# Altium PCB DL-5新款球锁 - 拼板-20201231.PcbDoc (part 1 of 9)
Units mm, origin at the board's own origin, x right, y up, seen from the top; angles counter-clockwise.
Board outline 55.99 x 50 mm, 4 copper layers (Top Layer, POWER, GND, Bottom Layer); 388 components, 70 nets, 1224 pads, 536 vias.
Unrouted connection lines stored in the file: 276.
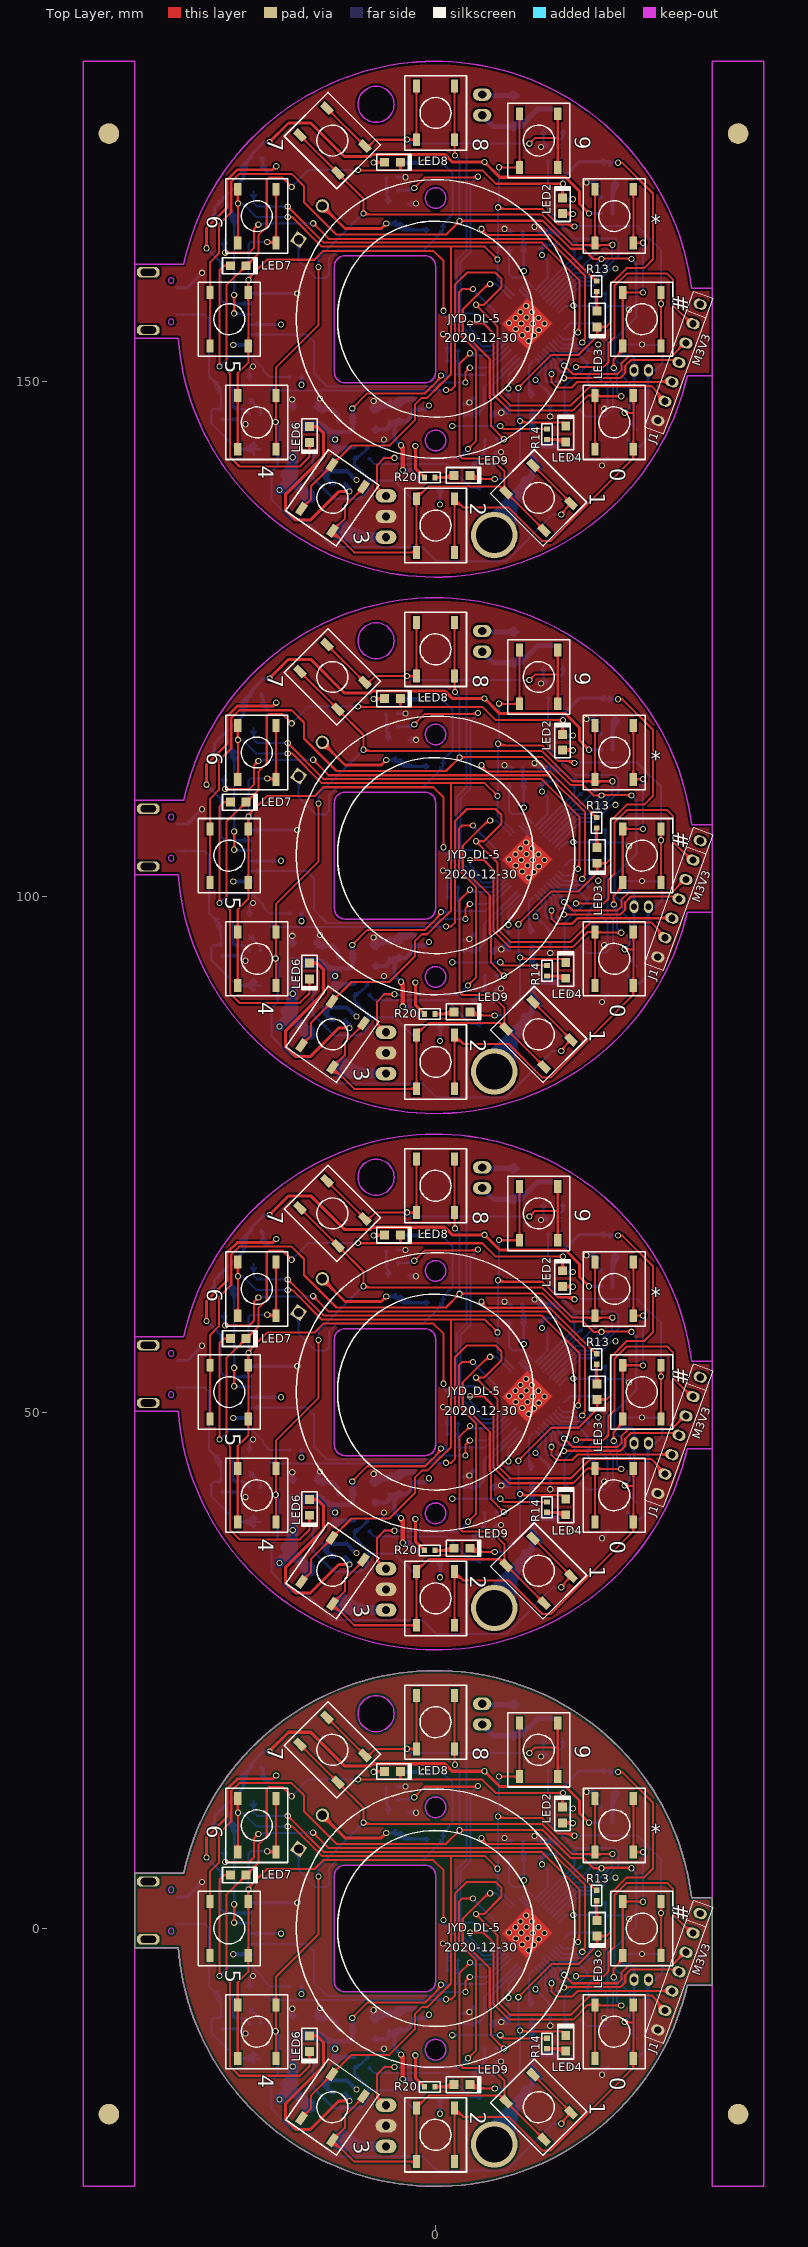
[diagram p0: Top Layer view]
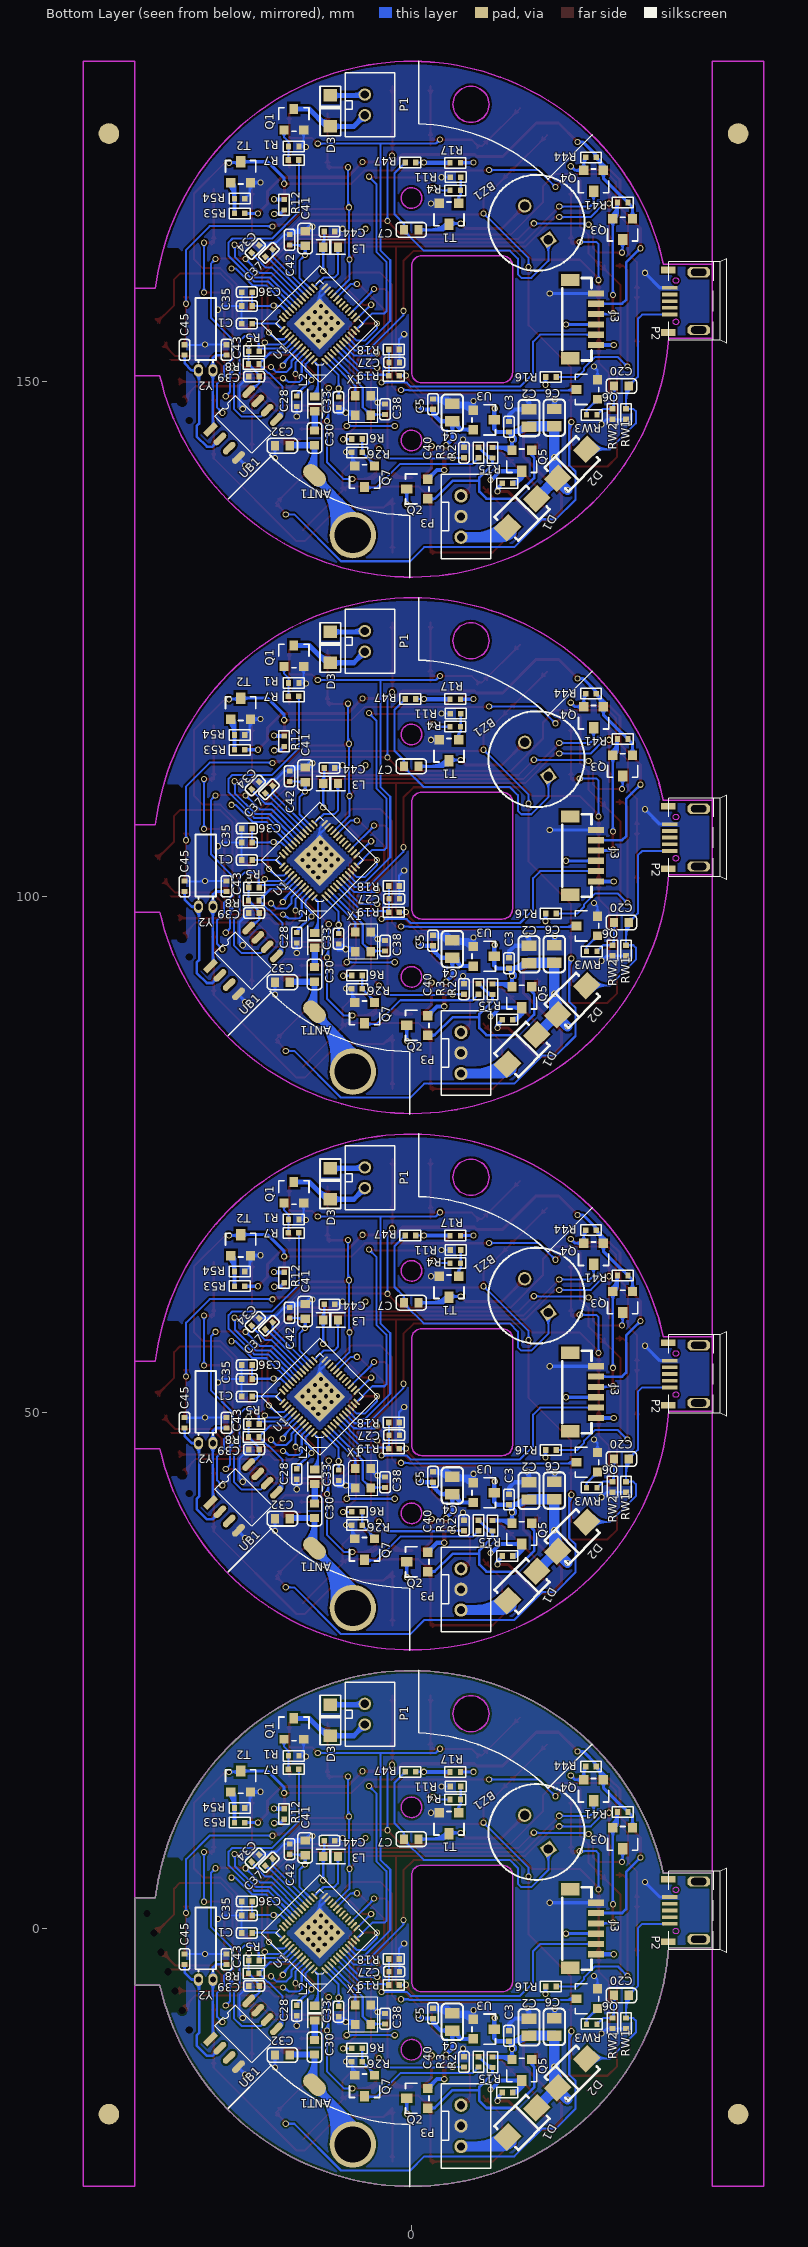
[diagram p1: Bottom Layer view, seen from below]
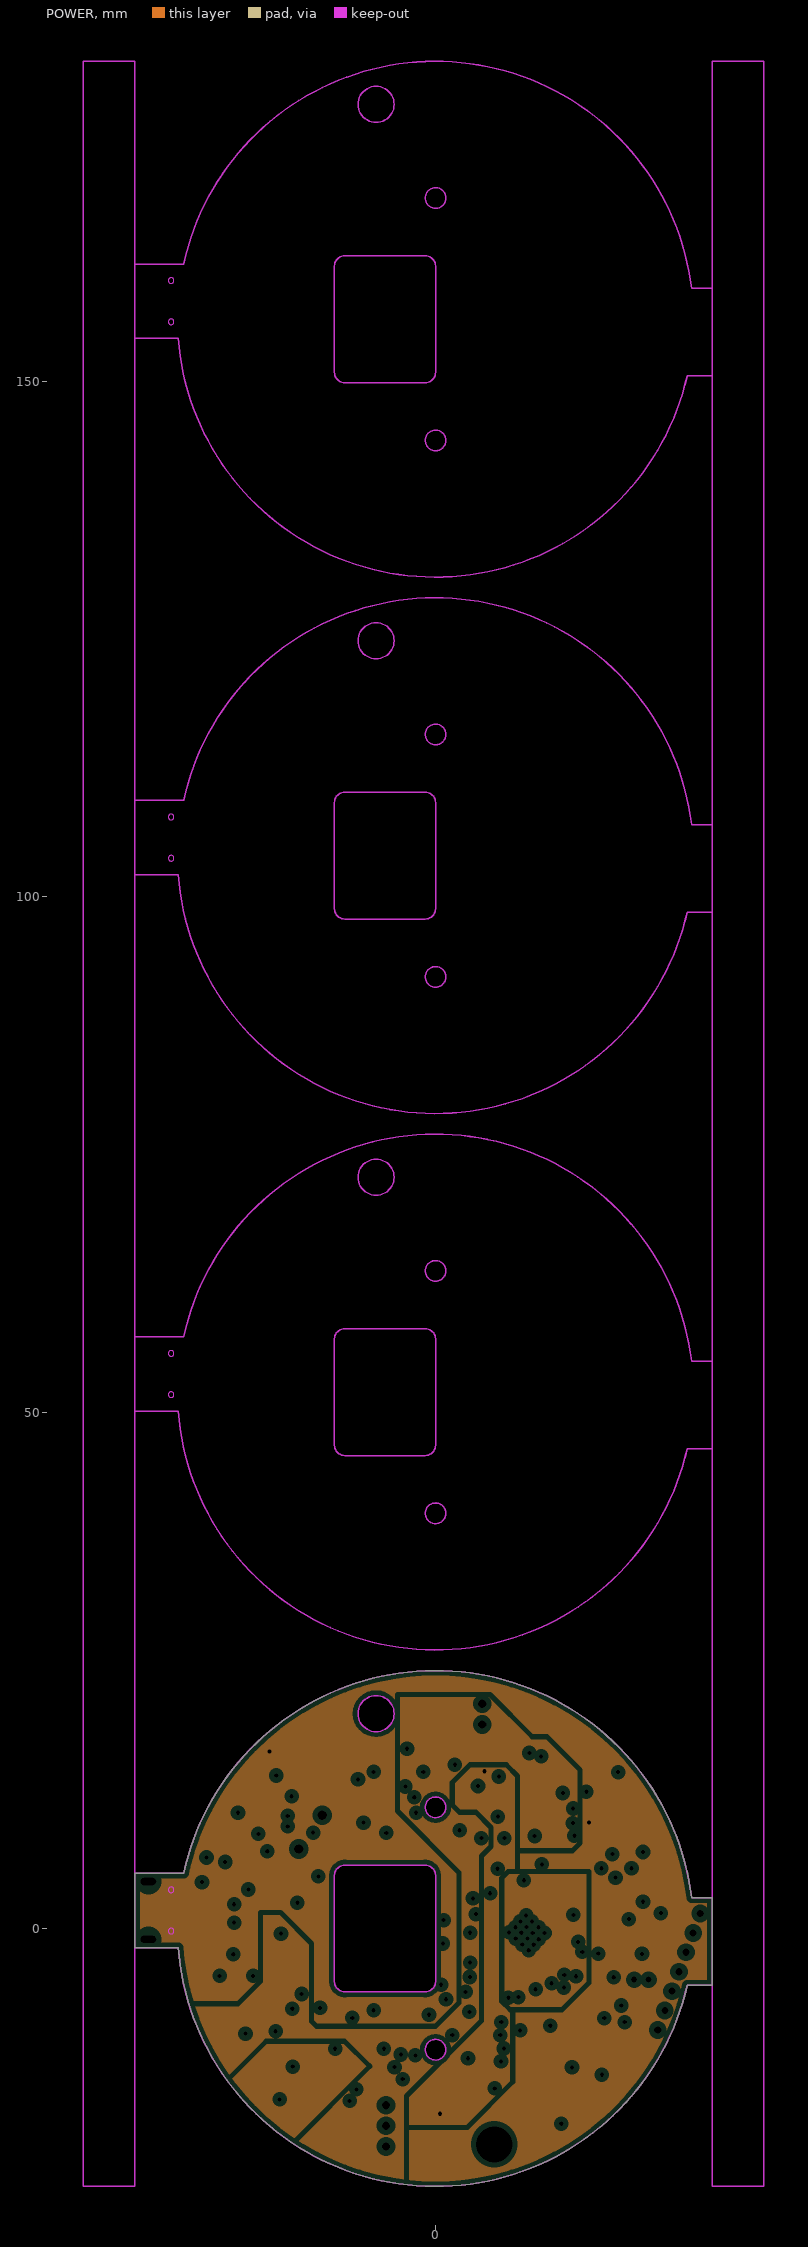
[diagram p2: POWER, clearances drawn from the general rule]
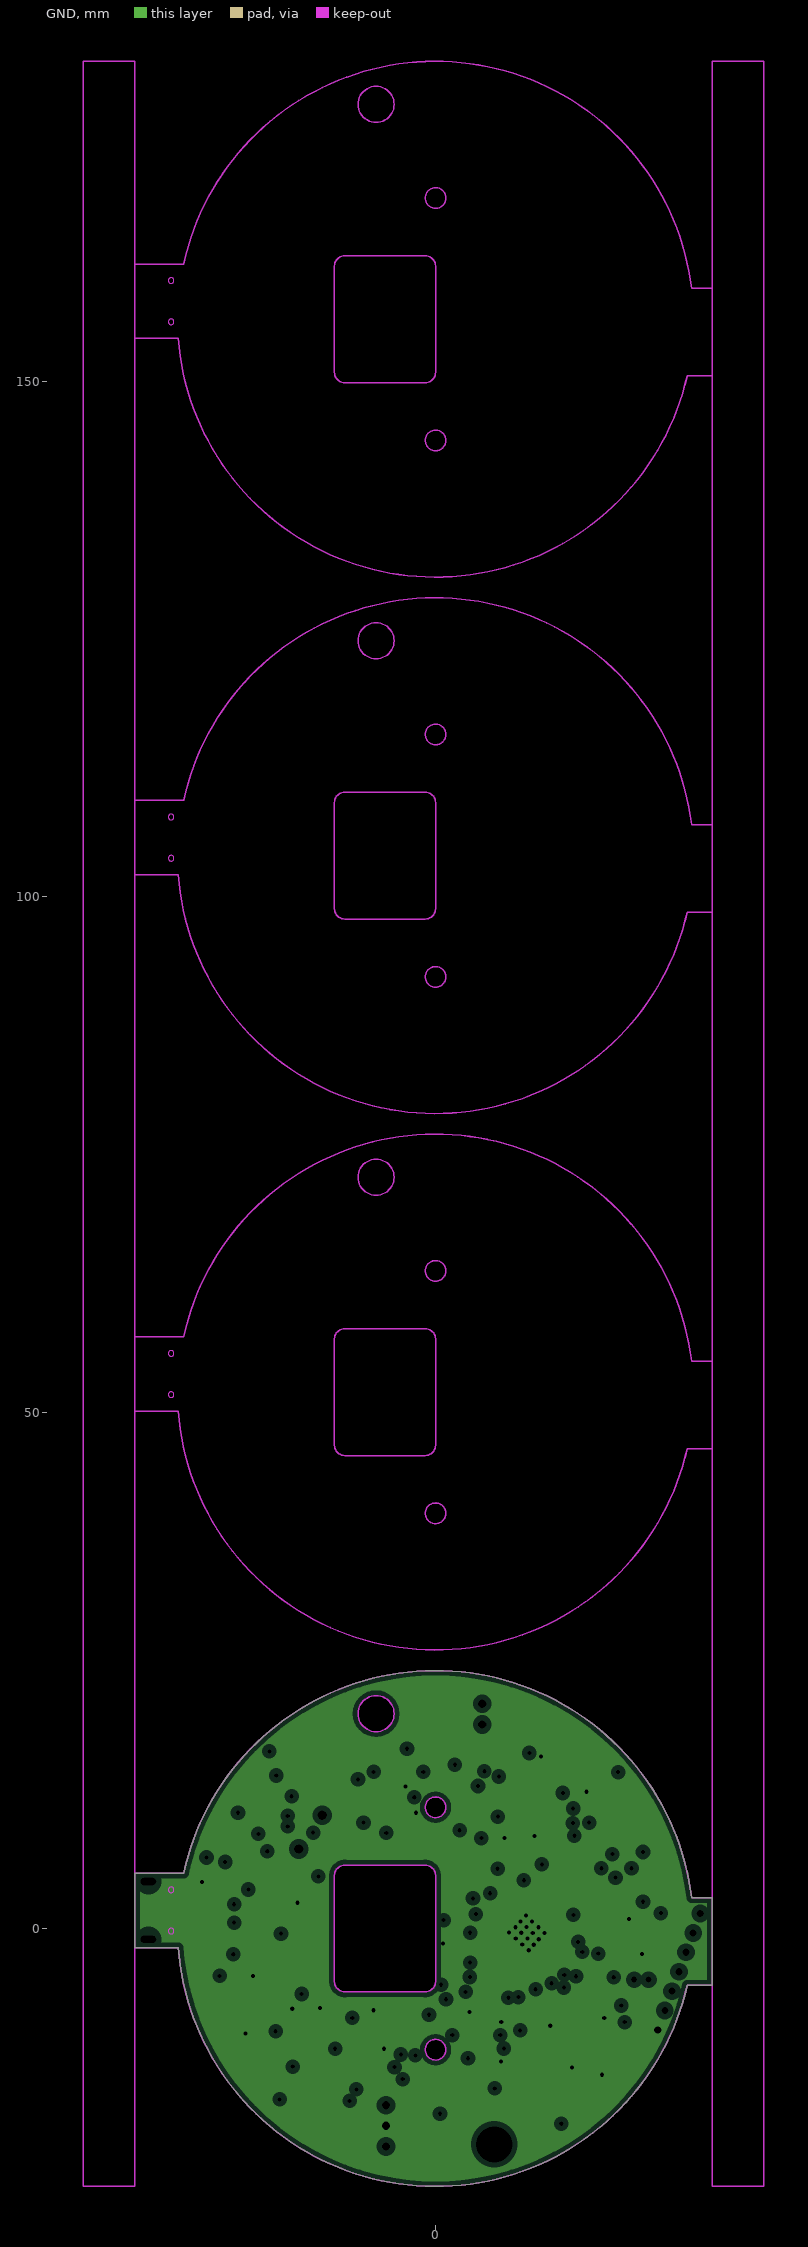
[diagram p3: GND, clearances drawn from the general rule]

## Layer stack, top to bottom
Top Layer: signal copper 0.0356
Dielectric: core 0.32, FR-4, Dk 4.8
POWER: plane copper 0.0356, net (Multiple Nets)
Dielectric: prepreg 0.32, FR-4, Dk 4.8
GND: plane copper 0.0356, net GND
Dielectric: core 0.32, FR-4, Dk 4.8
Bottom Layer: signal copper 0.0356

## Board outline
-29.159,-1.85 -29.159,5.35 -24.42,5.35 -24.42,5.352 cw(c0,0) 24.82,2.998 24.841,3 26.833,3 26.833,-5.5 24.409,-5.5 24.389,-5.495 cw(c0,0) -24.931,-1.851 -24.931,-1.85
cut-out: -9.799,150.85 -9.799,161.15 cw(c-8.799,161.15) -8.799,162.15 -1.004,162.15 cw(c-1.004,161.15) -0.004,161.15 -0.004,150.85 cw(c-1.004,150.85) -1.004,149.85 -8.799,149.85 cw(c-8.799,150.85)
cut-out: -1.004,144.25 ccw(c-0.004,144.25) -0.004,143.25 ccw(c-0.004,144.25) 0.996,144.25 ccw(c-0.004,144.25) -0.004,145.25 ccw(c-0.004,144.25)
cut-out: -1.004,167.75 ccw(c-0.004,167.75) -0.004,166.75 ccw(c-0.004,167.75) 0.996,167.75 ccw(c-0.004,167.75) -0.004,168.75 ccw(c-0.004,167.75)
cut-out: -7.518,176.828 ccw(c-5.768,176.828) -5.768,175.078 ccw(c-5.768,176.828) -4.018,176.828 ccw(c-5.768,176.828) -5.768,178.578 ccw(c-5.768,176.828)
cut-out: -9.799,98.85 -9.799,109.15 cw(c-8.799,109.15) -8.799,110.15 -1.004,110.15 cw(c-1.004,109.15) -0.004,109.15 -0.004,98.85 cw(c-1.004,98.85) -1.004,97.85 -8.799,97.85 cw(c-8.799,98.85)
cut-out: -1.004,92.25 ccw(c-0.004,92.25) -0.004,91.25 ccw(c-0.004,92.25) 0.996,92.25 ccw(c-0.004,92.25) -0.004,93.25 ccw(c-0.004,92.25)
cut-out: -1.004,115.75 ccw(c-0.004,115.75) -0.004,114.75 ccw(c-0.004,115.75) 0.996,115.75 ccw(c-0.004,115.75) -0.004,116.75 ccw(c-0.004,115.75)
cut-out: -7.518,124.828 ccw(c-5.768,124.828) -5.768,123.078 ccw(c-5.768,124.828) -4.018,124.828 ccw(c-5.768,124.828) -5.768,126.578 ccw(c-5.768,124.828)
cut-out: -9.799,46.85 -9.799,57.15 cw(c-8.799,57.15) -8.799,58.15 -1.004,58.15 cw(c-1.004,57.15) -0.004,57.15 -0.004,46.85 cw(c-1.004,46.85) -1.004,45.85 -8.799,45.85 cw(c-8.799,46.85)
cut-out: -1.004,40.25 ccw(c-0.004,40.25) -0.004,39.25 ccw(c-0.004,40.25) 0.996,40.25 ccw(c-0.004,40.25) -0.004,41.25 ccw(c-0.004,40.25)
cut-out: -1.004,63.75 ccw(c-0.004,63.75) -0.004,62.75 ccw(c-0.004,63.75) 0.996,63.75 ccw(c-0.004,63.75) -0.004,64.75 ccw(c-0.004,63.75)
cut-out: -7.518,72.828 ccw(c-5.768,72.828) -5.768,71.078 ccw(c-5.768,72.828) -4.018,72.828 ccw(c-5.768,72.828) -5.768,74.578 ccw(c-5.768,72.828)
cut-out: -9.799,-5.15 -9.799,5.15 cw(c-8.799,5.15) -8.799,6.15 -1.004,6.15 cw(c-1.004,5.15) -0.004,5.15 -0.004,-5.15 cw(c-1.004,-5.15) -1.004,-6.15 -8.799,-6.15 cw(c-8.799,-5.15)
cut-out: -1.004,-11.75 ccw(c-0.004,-11.75) -0.004,-12.75 ccw(c-0.004,-11.75) 0.996,-11.75 ccw(c-0.004,-11.75) -0.004,-10.75 ccw(c-0.004,-11.75)
cut-out: -1.004,11.75 ccw(c-0.004,11.75) -0.004,10.75 ccw(c-0.004,11.75) 0.996,11.75 ccw(c-0.004,11.75) -0.004,12.75 ccw(c-0.004,11.75)
cut-out: -7.518,20.828 ccw(c-5.768,20.828) -5.768,19.078 ccw(c-5.768,20.828) -4.018,20.828 ccw(c-5.768,20.828) -5.768,22.578 ccw(c-5.768,20.828)

## Design rules (kind name [scope] priority, off if disabled: settings)
Clearance Clearance_3 [All] p1 off: gap=0.2
Clearance Clearance_2 [(IsWire)or(IsThruPin)or(IsFill)or(InPolygon)or(IsKeepOut)] p2 off: gap=0.178
Clearance Clearance_1 [InComponent('P2')] p3 off: gap=0.178
Clearance [All] p4: gap=0.18
ComponentClearance [All] p1: gap=0 collisioncheckmode=3 verticalgap=0 showdistances=FALSE
HoleSize [All] p1: absolutevalues=TRUE maxlimit=12.7 minlimit=0.025 maxpercent=80.000 minpercent=20.000
MinimumSolderMaskSliver [All] p1: minsoldermaskwidth=0
PlaneClearance [All] p1: clearance=0.508
PlaneConnect [All] p1: planeconnectstyle=Direct reliefexpansion=0.508 reliefentries=4 reliefconductorwidth=0.254 reliefairgap=0.254
PolygonConnect PolygonConnect_1 [IsVia] p1: connectstyle=Direct reliefconductorwidth=0.254 reliefentries=4 polygonreliefangle="90 Angle" airgapwidth=0.254
PolygonConnect [All] p2: connectstyle=Direct reliefconductorwidth=0.254 reliefentries=4 polygonreliefangle="90 Angle" airgapwidth=0.254
RoutingVias [All] p1: holewidth=0.4 width=0.6 viastyle="Through Hole" minholewidth=0.4 minwidth=0.6 maxholewidth=5 maxwidth=6
SilkToSilkClearance [All] p1: silktosilkclearance=0
SilkToSolderMaskClearance [IsPad] p1: minsilkscreentomaskgap=0 clearancetoexposedcopper=TRUE
SolderMaskExpansion [All] p1: expansion=0.102
Width [All] p1: maxlimit=2 minlimit=0.15 preferedwidth=0.2
21 further rules are at their usual default settings.

## Components (designator, comment, footprint, x,y, rotation, side; value= is the part's Value field where it differs from the comment)
0 "SW" KEY_5.2*3.7*6.4 17.318,146 r270 top locked
0 "SW" KEY_5.2*3.7*6.4 17.318,94 r270 top locked
0 "SW" KEY_5.2*3.7*6.4 17.318,42 r270 top locked
0 "SW" KEY_5.2*3.7*6.4 17.318,-10 r270 top locked
1 "SW" KEY_5.2*3.7*6.4 9.997,138.679 r315 top locked
1 "SW" KEY_5.2*3.7*6.4 9.997,86.679 r315 top locked
1 "SW" KEY_5.2*3.7*6.4 9.997,34.679 r315 top locked
1 "SW" KEY_5.2*3.7*6.4 9.997,-17.321 r315 top locked
2 "SW" KEY_5.2*3.7*6.4 -0.003,136 r270 top
2 "SW" KEY_5.2*3.7*6.4 -0.003,84 r270 top
2 "SW" KEY_5.2*3.7*6.4 -0.003,32 r270 top
2 "SW" KEY_5.2*3.7*6.4 -0.003,-20 r270 top
3 "SW" KEY_5.2*3.7*6.4 -10.003,138.679 r55 top
3 "SW" KEY_5.2*3.7*6.4 -10.003,86.679 r55 top
3 "SW" KEY_5.2*3.7*6.4 -10.003,34.679 r55 top
3 "SW" KEY_5.2*3.7*6.4 -10.003,-17.321 r55 top
4 "SW" KEY_5.2*3.7*6.4 -17.323,146 r270 top locked
4 "SW" KEY_5.2*3.7*6.4 -17.323,94 r270 top locked
4 "SW" KEY_5.2*3.7*6.4 -17.323,42 r270 top locked
4 "SW" KEY_5.2*3.7*6.4 -17.323,-10 r270 top locked
5 "SW" KEY_5.2*3.7*6.4 -20.003,156 r90 top locked
5 "SW" KEY_5.2*3.7*6.4 -20.003,104 r90 top locked
5 "SW" KEY_5.2*3.7*6.4 -20.003,52 r90 top locked
5 "SW" KEY_5.2*3.7*6.4 -20.003,0 r90 top locked
6 "SW" KEY_5.2*3.7*6.4 -17.323,166 r90 top
6 "SW" KEY_5.2*3.7*6.4 -17.323,114 r90 top
6 "SW" KEY_5.2*3.7*6.4 -17.323,62 r90 top
6 "SW" KEY_5.2*3.7*6.4 -17.323,10 r90 top
7 "SW" KEY_5.2*3.7*6.4 -10.003,173.321 r135 top locked
7 "SW" KEY_5.2*3.7*6.4 -10.003,121.321 r135 top locked
7 "SW" KEY_5.2*3.7*6.4 -10.003,69.321 r135 top locked
7 "SW" KEY_5.2*3.7*6.4 -10.003,17.321 r135 top locked
8 "SW" KEY_5.2*3.7*6.4 -0.003,176 r270 top locked
8 "SW" KEY_5.2*3.7*6.4 -0.003,124 r270 top locked
8 "SW" KEY_5.2*3.7*6.4 -0.003,72 r270 top locked
8 "SW" KEY_5.2*3.7*6.4 -0.003,20 r270 top locked
9 "SW" KEY_5.2*3.7*6.4 9.997,173.321 r90 top locked
9 "SW" KEY_5.2*3.7*6.4 9.997,121.321 r90 top locked
9 "SW" KEY_5.2*3.7*6.4 9.997,69.321 r90 top locked
9 "SW" KEY_5.2*3.7*6.4 9.997,17.321 r90 top locked
# "SW" KEY_5.2*3.7*6.4 19.997,156 r270 top
# "SW" KEY_5.2*3.7*6.4 19.997,104 r270 top
# "SW" KEY_5.2*3.7*6.4 19.997,52 r270 top
# "SW" KEY_5.2*3.7*6.4 19.997,0 r270 top
* "SW" KEY_5.2*3.7*6.4 17.318,166 r90 top locked
* "SW" KEY_5.2*3.7*6.4 17.318,114 r90 top locked
* "SW" KEY_5.2*3.7*6.4 17.318,62 r90 top locked
* "SW" KEY_5.2*3.7*6.4 17.318,10 r90 top locked
ANT1 "ANT" ANT_mark 9.394,140.862 r45 bottom
ANT1 "ANT" ANT_mark 9.394,88.862 r45 bottom
ANT1 "ANT" ANT_mark 9.394,36.862 r45 bottom
ANT1 "ANT" ANT_mark 9.394,-15.138 r45 bottom
BZ1 "BUZZER" BUZZER_D93_L40 -12.12,165.347 r55 bottom
BZ1 "BUZZER" BUZZER_D93_L40 -12.12,113.347 r55 bottom
BZ1 "BUZZER" BUZZER_D93_L40 -12.12,61.347 r55 bottom
BZ1 "BUZZER" BUZZER_D93_L40 -12.12,9.347 r55 bottom
C1 "100nF" 0402C 15.947,155.568 r0 bottom
C1 "100nF" 0402C 15.947,103.568 r0 bottom
C1 "100nF" 0402C 15.947,51.568 r0 bottom
C1 "100nF" 0402C 15.947,-0.432 r0 bottom
C2 "10uF" 0805C -11.398,146.426 r90 bottom
C2 "10uF" 0805C -11.398,94.426 r90 bottom
C2 "10uF" 0805C -11.398,42.426 r90 bottom
C2 "10uF" 0805C -11.398,-9.574 r90 bottom
C3 "100nF" 0402C -9.453,145.586 r90 bottom
C3 "100nF" 0402C -9.453,93.586 r90 bottom
C3 "100nF" 0402C -9.453,41.586 r90 bottom
C3 "100nF" 0402C -9.453,-10.414 r90 bottom
C4 "10uF" 0805C -3.967,146.946 r90 bottom
C4 "10uF" 0805C -3.967,94.946 r90 bottom
C4 "10uF" 0805C -3.967,42.946 r90 bottom
C4 "10uF" 0805C -3.967,-9.054 r90 bottom
C5 "100nF" 0402C -2.087,147.77 r90 bottom
C5 "100nF" 0402C -2.087,95.77 r90 bottom
C5 "100nF" 0402C -2.087,43.77 r90 bottom
C5 "100nF" 0402C -2.087,-8.23 r90 bottom
C6 "220uF" 0805C -13.848,146.459 r90 bottom
C6 "220uF" 0805C -13.848,94.459 r90 bottom
C6 "220uF" 0805C -13.848,42.459 r90 bottom
C6 "220uF" 0805C -13.848,-9.541 r90 bottom
C7 "10uF" 0603C 0.021,164.661 r0 bottom
C7 "10uF" 0603C 0.021,112.661 r0 bottom
C7 "10uF" 0603C 0.021,60.661 r0 bottom
C7 "10uF" 0603C 0.021,8.661 r0 bottom
C20 "10uF" 0603C -20.35,149.523 r0 bottom
C20 "10uF" 0603C -20.35,97.523 r0 bottom
C20 "10uF" 0603C -20.35,45.523 r0 bottom
C20 "10uF" 0603C -20.35,-6.477 r0 bottom
C27 "1nF" 0402C 1.672,151.817 r0 bottom
C27 "1nF" 0402C 1.672,99.817 r0 bottom
C27 "1nF" 0402C 1.672,47.817 r0 bottom
C27 "1nF" 0402C 1.672,-4.183 r0 bottom
C28 "1uF" 0402C 11.121,148.05 r90 bottom
C28 "1uF" 0402C 11.121,96.05 r90 bottom
C28 "1uF" 0402C 11.121,44.05 r90 bottom
C28 "1uF" 0402C 11.121,-7.95 r90 bottom
C30 "1.5pF" 0603C 9.394,144.494 r270 bottom
C30 "1.5pF" 0603C 9.394,92.494 r270 bottom
C30 "1.5pF" 0603C 9.394,40.494 r270 bottom
C30 "1.5pF" 0603C 9.394,-11.506 r270 bottom
C32 "1pF" 0603C 12.518,143.732 r180 bottom
C32 "1pF" 0603C 12.518,91.732 r180 bottom
C32 "1pF" 0603C 12.518,39.732 r180 bottom
C32 "1pF" 0603C 12.518,-12.268 r180 bottom
C33 "100nF" 0402C 7.057,147.948 r90 bottom
C33 "100nF" 0402C 7.057,95.948 r90 bottom
C33 "100nF" 0402C 7.057,43.948 r90 bottom
C33 "100nF" 0402C 7.057,-8.052 r90 bottom
C34 "100nF" 0402C 15.134,162.807 r135 bottom
C34 "100nF" 0402C 15.134,110.807 r135 bottom
C34 "100nF" 0402C 15.134,58.807 r135 bottom
C34 "100nF" 0402C 15.134,6.807 r135 bottom
C35 "1uF" 0402C 15.947,157.27 r180 bottom
C35 "1uF" 0402C 15.947,105.27 r180 bottom
C35 "1uF" 0402C 15.947,53.27 r180 bottom
C35 "1uF" 0402C 15.947,1.27 r180 bottom
C36 "100nF" 0402C 15.947,158.621 r180 bottom
C36 "100nF" 0402C 15.947,106.621 r180 bottom
C36 "100nF" 0402C 15.947,54.621 r180 bottom
C36 "100nF" 0402C 15.947,2.621 r180 bottom
C37 "100nF" 0402C 13.813,162.426 r135 bottom
C37 "100nF" 0402C 13.813,110.426 r135 bottom
C37 "100nF" 0402C 13.813,58.426 r135 bottom
C37 "100nF" 0402C 13.813,6.426 r135 bottom
C38 "2.7pF" 0402C 2.561,147.262 r270 bottom
C38 "2.7pF" 0402C 2.561,95.262 r270 bottom
C38 "2.7pF" 0402C 2.561,43.262 r270 bottom
C38 "2.7pF" 0402C 2.561,-8.738 r270 bottom
C39 "100nF" 0402C 15.261,150.437 r0 bottom
C39 "100nF" 0402C 15.261,98.437 r0 bottom
C39 "100nF" 0402C 15.261,46.437 r0 bottom
C39 "100nF" 0402C 15.261,-5.563 r0 bottom
C40 "1nF" 0402C -5.084,143.071 r90 bottom
C40 "1nF" 0402C -5.084,91.071 r90 bottom
C40 "1nF" 0402C -5.084,39.071 r90 bottom
C40 "1nF" 0402C -5.084,-12.929 r90 bottom
C41 "10uF" 0603C 10.308,163.823 r90 bottom
C41 "10uF" 0603C 10.308,111.823 r90 bottom
C41 "10uF" 0603C 10.308,59.823 r90 bottom
C41 "10uF" 0603C 10.308,7.823 r90 bottom
C42 "100nF" 0402C 11.807,163.696 r90 bottom
C42 "100nF" 0402C 11.807,111.696 r90 bottom
C42 "100nF" 0402C 11.807,59.696 r90 bottom
C42 "100nF" 0402C 11.807,7.696 r90 bottom
C43 "22pF" 0402C 17.928,153.028 r90 bottom
C43 "22pF" 0402C 17.928,101.028 r90 bottom
C43 "22pF" 0402C 17.928,49.028 r90 bottom
C43 "22pF" 0402C 17.928,-2.972 r90 bottom
C44 "10uF" 0402C 7.946,164.509 r0 bottom
C44 "10uF" 0402C 7.946,112.509 r0 bottom
C44 "10uF" 0402C 7.946,60.509 r0 bottom
C44 "10uF" 0402C 7.946,8.509 r0 bottom
C45 "22pF" 0402C 21.992,153.028 r270 bottom
C45 "22pF" 0402C 21.992,101.028 r270 bottom
C45 "22pF" 0402C 21.992,49.028 r270 bottom
C45 "22pF" 0402C 21.992,-2.972 r270 bottom
D1 "SS14" DO-214AA -10.723,137.204 r315 bottom
D1 "SS14" DO-214AA -10.723,85.204 r315 bottom